# KiCad board panel_rp2350_20x20.kicad_pcb (continued)
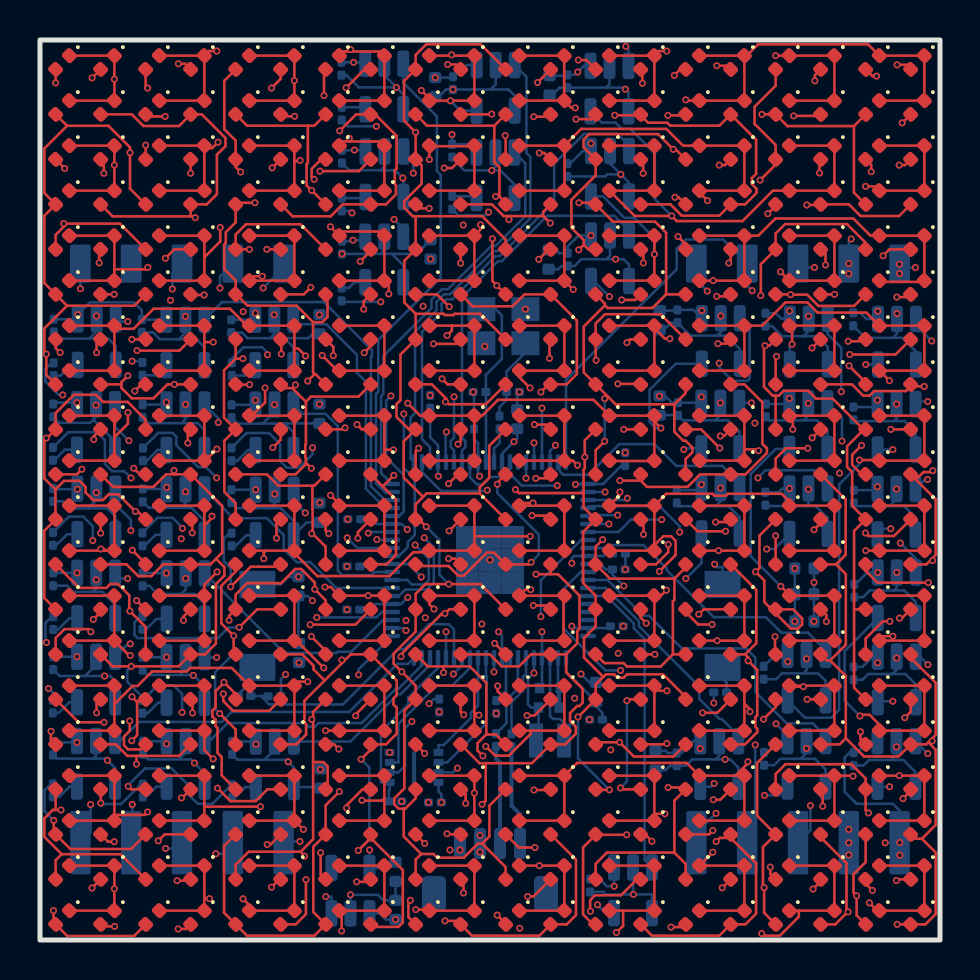
[diagram p0: board, top side]
## Routing (per net, layer and track width the routed paths; a pad name or vN(x,y) marks a point on that pad's centre or on a via; arc(x,y) is an arc through that point) (continued)
Net-(D161-A): length 114.2
  Top w0.127: 19.15,22.15 19.33,22.33 21.99,22.33 ; 19.15,22.15 18.19,23.12 18.19,24.94 D165.2 18.45,25.53 17.83,26.15 17.83,26.79 18.02,26.99 18.02,29.27 D164.2 18.78,31.31 ; 19.15,22.15 18.78,21.78 D166.2 18.94,21.03 v1(19.31,20.67) ; 21.99,22.33 21.99,22.63 22.46,23.11 22.46,24.71 D176.2 ; 21.99,22.33 D175.2 ; 18.78,36.19 18.64,36.19 18.21,36.62 18.21,36.94 19.08,37.81 19.08,38.73 D162.2 v1(18.78,40.38) 18.2,40.96 18.2,42.95 D161.2 18.78,44.25 19.31,44.78 22.03,44.78 D180.2 ; 18.78,36.19 22.11,36.19 23.28,35.02 D178.2 ; 18.78,36.19 D163.2 18.22,33.97 18.22,31.87 18.78,31.31 ; 19.06,4.3 18.19,5.17 18.19,6.56 ; 19.06,4.3 19.68,4.3 19.86,4.11 21.19,4.11 21.89,4.82 22.11,4.82 ; 19.06,4.3 18.78,4.02 D170.2 ; 18.19,6.56 17.93,6.56 17.72,6.78 17.72,7.08 18.22,7.58 18.22,11.47 D168.2 18.78,12.72 v1(18.09,13.41) 17.68,13.82 17.68,14.32 18.78,15.42 D167.2 18.78,17.31 19.27,17.79 v1(20.44,17.79) 22.02,17.79 D174.2 ; 18.19,6.56 18.26,6.56 18.78,7.09 D169.2 ; D173.2 22.88,12.43 v1(22.88,12.7) ; D172.2 22.47,6.72 22.47,5.18 22.11,4.82 ; 18.78,31.31 20.18,31.31 20.25,31.25 20.67,31.25 20.74,31.31 22,31.31 D177.2 ; v1(23.26,40.22) 23.28,40.2 D179.2 ; 22.11,4.82 23.28,3.65 D171.2
  In1.Cu w0.127: v1(22.88,12.7) 22.85,12.74 18.76,12.74 v1(18.09,13.41) ; v1(19.31,20.67) 19.01,20.67 18.51,20.16 18.21,20.16 17.64,20.74 15.86,20.74 15.77,20.65 14.63,20.65 14.46,20.81 7.35,20.81 v1(7.12,20.58) ; v1(18.78,40.38) 19.08,40.68 22.39,40.68 22.85,40.22 v1(23.26,40.22)
  Bottom w0.127: v1(20.44,17.79) 19.97,18.27 19.97,20 v1(19.31,20.67) ; 5.12,20.36 5.88,21.11 6.63,21.11 7.12,20.62 v1(7.12,20.58)
Net-(D181-A): length 144.3
  Top w0.127: v1(24.6,21.22) 25.34,21.22 D195.2 ; v1(24.35,11.22) 24.72,11.22 D193.2 ; v1(24.72,25.77) 25.3,25.77 D196.2 ; D191.2 24.68,2.18 v1(24.38,2.18) ; D182.2 20.6,38.6 v1(20.21,38.6) ; v1(20.38,43.78) 20.79,43.78 D181.2 ; D192.2 25.5,7.5 v1(24.7,7.5) ; D194.2 25.34,16.73 v1(24.67,16.73) ; v1(19.67,29.81) 20.81,29.81 D184.2 ; v1(20.45,20.45) D186.2 ; D199.2 25.21,39.35 v1(24.96,39.35) ; D200.2 v1(24.87,42.87) ; v1(21.03,33.84) D183.2 ; D187.2 20.45,16.53 v1(20.25,16.33) 20.1,16.33 18.05,14.28 v1(18.05,14.17) ; v1(21.18,11.26) 21.03,11.41 D188.2 ; D197.2 25.47,29.97 v1(25.47,29.08) ; v1(24.94,34.04) 25.44,34.53 D198.2 ; v1(21.17,2.35) 21.17,2.89 D190.2 ; D189.2 21.28,7.28 v1(21.28,6.83) ; v1(20.9,24.79) 21.03,24.93 D185.2
  In1.Cu w0.127: v1(21.03,33.84) 21.23,34.04 v1(24.94,34.04) ; v1(20.9,24.79) 20.4,24.79 19.94,25.25 19.94,25.58 20.13,25.77 v1(24.72,25.77) ; v1(21.17,2.35) 21.35,2.18 v1(24.38,2.18) ; v1(20.45,20.45) 21.22,21.22 v1(24.6,21.22) ; v1(24.87,42.87) 23.97,43.78 v1(20.38,43.78) ; v1(2.64,19.97) 5.37,19.97 5.9,19.44 11.89,19.44 12.16,19.17 13.46,19.17 16.65,15.98 v1(18.3,15.98)
  In2.Cu w0.127: v1(18.05,14.17) 18.5,13.72 18.5,12.25 18.18,11.93 18.18,10.8 18.49,10.48 18.66,10.48 20.01,9.13 20.01,8.92 20.71,8.21 21.28,8.21 ; 25.18,21.22 25.41,21.45 25.41,25.94 25.73,26.26 25.73,28.83 v1(25.47,29.08) 25.47,33.5 v1(24.94,34.04) ; 25.18,21.22 v1(24.6,21.22) 22.87,19.49 22.87,18.84 20.36,16.33 v1(20.25,16.33) 20.25,16.6 19.94,16.92 19.24,16.92 v1(18.3,15.98) ; 25.18,21.22 25.18,17.23 v1(24.67,16.73) ; v1(24.87,42.87) 25.05,42.7 25.05,39.44 v1(24.96,39.35) ; v1(24.38,2.18) 24.38,7.18 v1(24.7,7.5) 24.35,7.85 v1(24.35,11.22) ; 21.28,8.21 v1(21.28,6.83) 21.4,6.71 21.4,2.58 v1(21.17,2.35) ; 21.28,8.21 21.28,11.16 v1(21.18,11.26) ; v1(20.38,43.78) 20.15,43.55 20.15,38.66 v1(20.21,38.6) 20.21,34.66 v1(21.03,33.84) 19.67,32.48 v1(19.67,29.81) 19.67,27.98 19.93,27.72 19.93,27.08 19.87,27.02 19.87,26.51 20.9,25.48 v1(20.9,24.79)
  Bottom w0.127: R18.2 1.44,21.17 2.16,21.17 2.64,20.69 v1(2.64,19.97)
Net-(D201-A): length 125.1
  Top w0.127: D213.2 22.79,10.28 22.31,10.28 ; D205.2 18.78,24.44 v1(18.93,24.59) ; 20.32,26.92 20.45,26.79 22.29,26.79 D217.2 ; 20.32,26.92 20.3,26.91 v1(20.28,26.91) ; 20.32,26.92 20.32,27.05 19.59,27.78 D204.2 ; D218.2 v1(22.84,32.72) 22.62,32.94 v1(22.62,35.06) ; 22.31,10.28 22.31,12.86 21.49,13.68 20.18,13.68 ; 22.31,10.28 21.87,9.84 21.87,9.48 v1(22.14,9.2) ; 20.18,13.68 19.38,13.68 D207.2 ; 20.18,13.68 v1(20.18,13.37) ; D206.2 18.86,18.7 20.43,18.7 20.91,18.22 21.19,18.22 22.34,19.37 22.7,19.37 D215.2 24.45,18.78 v1(24.56,18.89) ; v1(20.46,31.67) 19.84,32.28 D203.2 ; D211.2 23.28,0.82 v1(22.86,1.24) ; v1(19.46,36.58) 18.98,36.58 D202.2 ; 22.71,40.71 D220.2 ; 22.71,40.71 22.71,38.9 22.97,38.64 22.97,37.18 ; 22.71,40.71 19.35,40.71 D201.2 ; D216.2 22.86,22.86 v1(22.86,22.79) ; 22.97,37.18 v1(22.78,37.18) ; 22.97,37.18 23.28,36.87 D219.2 ; v1(18.52,1.98) 18.42,1.89 18.42,1.14 D210.2 ; D212.2 23.94,4.62 v1(24.75,4.62) ; v1(19.24,4.83) D209.2 ; D208.2 v1(19.23,9.33) ; D214.2 v1(22.73,14.83)
  In1.Cu w0.127: v1(22.86,1.24) 22.22,1.88 18.62,1.88 v1(18.52,1.98) ; v1(18.93,24.59) 18.6,24.92 13.94,24.92 v1(13.63,24.61) ; v1(22.73,14.83) 22.09,15.47 v1(22.09,15.8) ; v1(19.46,36.58) 20.29,35.75 v1(21.16,35.75) ; v1(24.75,4.62) 24.51,4.86 21.64,4.86 21.58,4.92 19.33,4.92 v1(19.24,4.83) ; v1(20.18,13.37) 19.26,14.28 v1(19.26,16.11) ; v1(22.14,9.2) 19.36,9.2 v1(19.23,9.33)
  In2.Cu w0.127: v1(21.16,35.75) 21.6,35.31 21.6,35.06 ; v1(22.78,37.18) 22.8,37.16 22.8,35.24 v1(22.62,35.06) 21.6,35.06 ; v1(19.26,16.11) 19.41,15.96 21.63,15.96 21.78,16.11 ; v1(18.52,1.98) 18.52,4.11 v1(19.24,4.83) 20.47,6.06 20.47,8.09 v1(19.23,9.33) ; 20.74,31.55 20.58,31.55 v1(20.46,31.67) ; 20.74,31.55 21.6,32.41 21.6,35.06 ; 20.74,31.55 20.74,28.19 20.28,27.72 v1(20.28,26.91) 21.31,25.87 21.31,24.69 21.01,24.39 19.14,24.39 v1(18.93,24.59) ; 21.78,16.11 22.09,15.8 v1(22.09,15.8) ; 21.78,16.11 v1(24.56,18.89) ; v1(22.86,22.79) 22.84,22.81 v1(22.84,32.72)
  Bottom w0.127: R19.2 10.32,25.35 11.45,25.35 12.01,24.79 12.01,23.95 12.34,23.61 12.95,23.61 13.63,24.29 v1(13.63,24.61) ; v1(22.86,22.79) 22.86,22.35 24.94,20.28 24.94,19.27 v1(24.56,18.89)
Net-(D221-A): length 130
  Top w0.127: 26.31,14.28 26.86,14.84 26.86,15.45 26.97,15.56 26.97,17.22 25.9,18.29 25.53,18.29 ; 26.31,14.28 D234.2 24.55,14.28 23.95,13.68 23.09,13.68 22.49,14.28 D227.2 ; 26.31,14.28 26.31,13.38 27.13,12.56 27.13,11.86 26.97,11.7 26.85,11.7 26.5,11.35 26.5,10.95 26.79,10.66 26.79,10.31 26.26,9.78 D233.2 24.59,8.84 22.29,8.84 ; D226.2 20.75,19.07 v1(20.43,19.07) ; D222.2 22.59,36.78 23.18,36.2 23.45,36.2 ; 25.16,36.2 v1(25.51,35.85) ; 25.16,36.2 25.16,36.41 D239.2 ; 25.16,36.2 23.45,36.2 ; v1(20.25,0.96) 20.86,0.96 D230.2 21.6,0.22 24.97,0.22 D231.2 26.34,0.78 26.8,1.25 26.8,4.01 D232.2 ; 25.53,18.29 v1(24.8,18.29) ; 25.53,18.29 D235.2 ; v1(24.79,23.09) 25.34,23.09 D236.2 ; D225.2 20.9,23.28 v1(20.43,22.82) ; D223.2 21.63,31.69 23.63,31.69 24.22,32.28 D238.2 26.84,30.97 26.84,28.3 26.33,27.78 D237.2 25.43,27.78 v1(25.05,27.4) ; D221.2 22.57,41.28 v1(22.59,41.3) ; D240.2 25.41,41.16 v1(24.69,41.16) ; D224.2 20.38,27.78 v1(20.1,28.06) ; D229.2 20.38,5.28 v1(20.35,5.31) ; 23.45,36.2 v1(23.45,36.02) ; 22.29,8.84 22.29,6.97 v1(22.1,6.78) ; 22.29,8.84 21.97,8.84 D228.2
  In1.Cu w0.127: v1(25.05,27.4) 25.05,27.65 24.68,28.01 22.88,28.01 21.35,26.49 20.17,26.49 19.91,26.75 19.91,27.87 v1(20.1,28.06) ; v1(24.79,23.09) 24.79,23.22 24.39,23.61 21.22,23.61 v1(20.43,22.82) 15.41,22.82 15.02,23.21 8.94,23.21 v1(8.83,23.11) ; v1(20.43,19.07) 21.89,19.07 22.66,18.29 v1(24.8,18.29) ; v1(22.1,6.78) 20.63,5.31 v1(20.35,5.31)
  In2.Cu w0.127: v1(24.69,41.16) 23.82,40.3 23.69,40.3 ; v1(23.45,36.02) 23.69,36.27 23.69,40.3 ; v1(22.59,41.3) 22.7,41.3 23.69,40.3 ; v1(20.43,19.07) 20.86,19.07 24.79,22.99 v1(24.79,23.09) 25.15,23.45 25.15,26.05 25.47,26.37 25.47,26.97 v1(25.05,27.4) 25.05,31.74 24.57,32.22 24.57,34.91 v1(25.51,35.85) ; v1(20.35,5.31) 20.08,5.04 20.08,1.13 v1(20.25,0.96)
  Bottom w0.127: R20.2 5.9,25.35 6.63,25.35 6.82,25.16 6.82,24.74 7.91,23.65 8.29,23.65 v1(8.83,23.11)
Net-(D241-A): length 139.4
  Top w0.127: D259.2 31.78,39.53 v1(31.66,39.53) 30.9,40.29 27.45,40.29 27.18,40.02 27.18,39.64 D242.2 27.78,38.23 26.57,37.01 26.57,35.61 27.19,34.99 27.19,34.76 ; v1(33.99,24.6) 33.06,25.53 D256.2 ; D245.2 27.24,24.99 v1(27.24,24.15) 27.24,23.57 27.18,23.51 27.18,22.35 ; D251.2 32.28,3.8 31.72,4.37 ; v1(26.92,44) 27.32,44 D241.2 ; v1(27.8,28.99) 27.78,29.01 D244.2 27.78,30.82 28.25,31.29 31.03,31.29 D257.2 ; 28.17,13.15 28.3,13.28 28.71,13.28 28.88,13.11 29.18,13.11 29.35,13.28 31.15,13.28 32.28,12.16 D253.2 ; 28.17,13.15 27.2,14.12 27.2,15.1 27.78,15.68 D247.2 27.78,17.22 27.16,17.85 27.16,20.41 D246.2 27.18,21.64 27.18,22.35 ; 28.17,13.15 27.78,12.77 D248.2 v1(26.9,11.15) ; v1(31.41,7.63) 32.19,7.63 D252.2 31.72,6.97 31.72,4.37 ; 27.19,34.76 27.42,34.53 D243.2 ; 27.19,34.76 v1(26.94,34.51) ; v1(28.47,7.51) 27.81,7.51 D249.2 ; D255.2 32.88,20.44 v1(34.28,20.44) ; D260.2 32.01,43.53 v1(31.71,43.23) ; v1(33.61,15.78) 32.91,15.78 32.28,16.4 D254.2 ; 31.72,4.37 28.34,4.37 27.78,3.81 D250.2 ; v1(31.9,35.17) 32.28,34.79 D258.2 ; 27.18,22.35 23.95,22.35 v1(23.77,22.52)
  In1.Cu w0.127: v1(26.92,44) 30.95,44 v1(31.71,43.23) ; v1(27.24,24.15) 27.39,23.99 33.39,23.99 v1(33.99,24.6) ; v1(28.47,7.51) 28.74,7.24 31.02,7.24 v1(31.41,7.63) ; v1(23.77,22.52) 23.38,22.13 15.62,22.13 14.83,22.92 9.69,22.92 9.51,22.74 7.64,22.74 7.28,23.1 v1(4.55,23.1)
  In2.Cu w0.127: 34.35,20.44 34.44,20.53 34.44,24.15 v1(33.99,24.6) ; 34.35,20.44 v1(34.28,20.44) ; 34.35,20.44 34.35,16.52 v1(33.61,15.78) ; v1(27.24,24.15) 27.24,28.42 v1(27.8,28.99) 27.13,29.67 27.13,34.32 v1(26.94,34.51) ; v1(31.9,35.17) 32.12,35.39 32.12,39.07 v1(31.66,39.53) 31.76,39.63 31.76,43.18 v1(31.71,43.23)
  Bottom w0.127: v1(4.55,23.1) 4.22,23.44 3.61,23.44 3.25,23.8 3.25,24.99 2.85,25.39 1.41,25.39 R21.2 ; v1(26.9,11.15) 26.9,9.08 v1(28.47,7.51)
Net-(D261-A): length 143.3
  Top w0.127: D274.2 33.18,16.53 v1(32.94,16.29) ; D267.2 30.03,16.12 v1(30.31,15.84) ; v1(33.84,43.71) 34.35,43.71 D280.2 ; D268.2 29.41,12.03 v1(29.34,11.97) ; v1(30.18,20.28) 30.18,20.89 D266.2 ; D269.2 29.09,7.53 v1(29.02,7.6) ; D264.2 29.51,30.03 v1(29.35,29.87) ; D277.2 34.32,29.82 v1(33.9,29.82) ; D261.2 30.12,43.45 v1(30.12,42.84) ; D273.2 33.86,11.36 v1(33.13,11.36) ; D263.2 30.17,34.39 v1(30.17,33.85) ; v1(34.01,25.2) 34.2,25.2 D276.2 ; v1(33.78,20.9) 34.4,20.9 D275.2 ; v1(34.11,2.61) D271.2 ; D265.2 v1(29.19,25.53) ; D279.2 34.25,38.75 v1(33.96,38.75) ; v1(34.44,33.85) 34.53,33.94 D278.2 ; D272.2 34.01,7.01 v1(33.66,7.01) ; D270.2 29.85,3.03 29.05,2.24 27.75,2.24 27.51,1.99 27.51,1.45 v1(27.52,1.44) ; v1(30.16,38.33) 30.16,38.91 D262.2
  In1.Cu w0.127: v1(34.44,33.85) 34.43,33.85 v1(30.17,33.85) ; v1(30.16,38.33) 33.55,38.33 v1(33.96,38.75) ; v1(29.34,11.97) 29.95,11.36 v1(33.13,11.36) ; v1(33.9,29.82) 33.78,29.7 29.51,29.7 v1(29.35,29.87) ; v1(30.12,42.84) 32.96,42.84 v1(33.84,43.71) ; v1(34.01,25.2) 29.52,25.2 v1(29.19,25.53) 29.19,25.38 28.38,24.57 26.12,24.57 25.92,24.37 19.82,24.37 18.94,25.24 5.23,25.24 4.59,24.6 2.52,24.6 1.14,25.99 v1(1.14,27.26)
  In2.Cu w0.127: v1(34.01,25.2) 33.62,24.8 33.62,20.9 ; v1(30.12,42.84) 30.16,42.8 v1(30.16,38.33) 30.16,33.86 v1(30.17,33.85) 30.17,30.69 v1(29.35,29.87) 29.35,25.69 v1(29.19,25.53) 30.18,24.54 v1(30.18,20.28) 30.18,15.97 v1(30.31,15.84) ; v1(34.11,2.61) 34.18,2.68 34.18,6.49 v1(33.66,7.01) 33.57,7.01 32.64,7.94 32.64,10.87 v1(33.13,11.36) 33.13,16.1 v1(32.94,16.29) 32.94,20.22 33.62,20.9 ; 33.62,20.9 v1(33.78,20.9) ; v1(27.52,1.44) 27.58,1.37 28.04,1.37 28.29,1.63 28.29,5.08 29.02,5.81 v1(29.02,7.6)
  Bottom w0.127: 0.68,28.86 0.58,28.86 0.27,28.55 0.27,27.92 0.94,27.26 v1(1.14,27.26) ; v1(29.34,11.97) 29.35,11.97 29.35,7.93 v1(29.02,7.6)
Net-(D281-A): length 120.9
  Top w0.127: 31.3,32.28 31.3,35.37 30.76,35.91 28.65,35.91 D282.2 27.7,36.86 v1(26.95,36.86) ; 31.3,32.28 30.62,31.6 28.38,31.6 28.24,31.73 ; 31.3,32.28 D298.2 ; 28.24,31.73 27.19,30.68 27.19,28.38 D284.2 28.36,27.2 ; 28.24,31.73 28.24,31.82 D283.2 ; 31.72,18.07 32.28,18.63 D295.2 ; 31.72,18.07 28.5,18.07 D286.2 27.78,19.67 v1(28.13,20.02) ; 31.72,18.07 31.72,17.01 31.64,16.94 31.64,14.28 ; D290.2 27.65,0.78 27.15,1.28 27.15,4.63 27.78,5.26 ; D287.2 28.22,13.84 29.18,13.84 29.35,13.67 31.03,13.67 31.64,14.28 ; D291.2 32.14,0.64 v1(31.55,0.64) ; v1(26.79,41.04) 27.54,41.04 D281.2 ; 28.36,27.2 28.78,26.78 31.72,26.78 ; 28.36,27.2 v1(28.23,27.07) ; D300.2 32.23,41.23 v1(31.4,41.23) ; D288.2 27.89,9.89 v1(28.98,9.89) 29.7,9.17 31.67,9.17 D293.2 ; 27.78,5.26 v1(29.33,5.26) ; 27.78,5.26 D289.2 ; v1(28.23,24.94) 27.78,24.49 D285.2 ; 31.72,26.78 32.28,27.35 D297.2 ; 31.72,26.78 31.72,25.41 32.16,24.97 32.27,24.97 32.62,24.63 32.62,24.38 32.28,24.05 D296.2 ; D299.2 31.93,37.13 v1(31.75,37.13) ; D292.2 33.45,5.28 v1(33.64,5.47) ; 31.64,14.28 D294.2
  In1.Cu w0.127: v1(33.64,5.47) 29.55,5.47 v1(29.33,5.26) ; v1(31.75,37.13) 31.47,36.86 v1(26.95,36.86) 26.9,36.82 19.84,36.82 19.71,36.95 16.19,36.95 v1(15.6,36.35)
  In2.Cu w0.127: 29.4,5.26 29.4,8.51 28.77,9.14 ; 29.4,5.26 v1(29.33,5.26) ; 29.4,5.26 31.55,3.11 v1(31.55,0.64) ; v1(26.79,41.04) 26.79,37.01 v1(26.95,36.86) ; v1(31.4,41.23) 31.27,41.11 31.27,37.6 v1(31.75,37.13) ; v1(28.98,9.89) 28.98,9.35 28.77,9.14 ; 28.77,9.14 28.38,9.14 28.13,9.39 v1(28.13,20.02) 27.87,20.28 27.87,24.57 v1(28.23,24.94)
  Bottom w0.127: v1(15.6,36.35) 15.5,36.45 R23.2 ; v1(28.23,24.94) v1(28.23,27.07)
Net-(D301-A): length 130.6
  Top w0.127: v1(31.34,9.83) 31.3,9.78 D308.2 ; 35.26,14.28 35.81,14.84 35.81,17.5 D315.2 ; 35.26,14.28 D314.2 ; 35.26,14.28 35.4,14.13 v1(35.4,13.96) 35.86,13.51 35.86,11.24 35.77,11.15 35.77,10.66 35.86,10.56 35.86,10.39 35.25,9.78 D313.2 ; 30.03,41.24 30.4,40.86 31.37,40.86 31.51,40.72 33.97,40.72 D320.2 35.81,40.01 35.81,38.31 35.59,38.1 35.59,37.79 35.82,37.57 35.82,37.35 35.26,36.78 D319.2 33.97,36.22 32.09,36.22 31.52,36.78 D302.2 ; 30.03,41.24 v1(28.74,41.24) ; 30.03,41.24 D301.2 ; D307.2 v1(30.74,14.28) ; D310.2 30.6,0.22 33.97,0.22 D311.2 35.27,0.78 35.8,1.32 35.8,3.83 34.53,5.1 ; D318.2 34.43,32.18 v1(33.84,32.18) ; 34.53,5.1 33.99,5.1 v1(33.81,4.93) ; 34.53,5.1 D312.2 ; D317.2 35.22,27.78 36.12,26.88 36.12,24.81 36.35,24.58 36.35,24.35 35.27,23.28 D316.2 33,23.28 32.38,22.66 30.34,22.66 30.03,22.97 ; D309.2 30.25,5.28 v1(30.59,4.94) ; D303.2 29.75,32 v1(29.09,32) ; D304.2 30.01,27.81 v1(28.89,27.81) ; D305.2 30.03,22.97 ; 30.03,22.97 v1(28.99,22.97) ; v1(31.41,19.78) 31.41,19.39 30.8,18.78 D306.2
  In1.Cu w0.127: v1(33.84,32.18) 33.66,32 v1(29.09,32) 28.86,31.78 28.34,31.78 28.09,32.03 19.43,32.03 19.36,32.11 19.06,32.11 18.85,31.91 v1(17.04,31.91) ; v1(33.81,4.93) 33.8,4.94 v1(30.59,4.94) ; v1(28.99,22.97) 28.22,22.97 27.87,22.63 27.87,20.83 28.93,19.78 v1(31.41,19.78) ; v1(30.74,14.28) 35.08,14.28 v1(35.4,13.96)
  In2.Cu w0.127: 30.74,9.83 30.59,9.68 v1(30.59,4.94) ; 30.74,9.83 v1(31.34,9.83) ; 30.74,9.83 v1(30.74,14.28) 30.74,18.14 30.6,18.28 30.6,18.97 v1(31.41,19.78) ; v1(28.74,41.24) 28.63,41.13 28.63,34.88 29.19,34.32 29.19,32.1 v1(29.09,32) 28.89,31.81 v1(28.89,27.81) 28.89,26.85 28.8,26.76 28.8,25.25 28.85,25.2 28.85,23.11 v1(28.99,22.97)
  Bottom w0.127: R24.2 15.13,31.91 v1(17.04,31.91)
Net-(D321-A): length 151.8
  Top w0.127: D321.2 36.78,42.71 35.73,41.66 35.73,40.81 36.78,39.75 D322.2 36.78,38.77 v1(36.01,37.99) ; 40.7,16.53 40.7,12.61 D333.2 ; 40.7,16.53 D334.2 ; 40.7,16.53 40.7,20.45 D335.2 40.61,21.71 40.61,23.4 40.35,23.65 40.35,24.69 41.05,25.39 41.05,25.53 ; D340.2 41.62,43.19 v1(41.83,43.19) ; v1(41.42,6.35) 41.28,6.49 D332.2 41.28,8.07 40.57,8.79 37.27,8.79 36.78,8.3 D329.2 ; D338.2 41.28,34.87 40.35,35.8 37.26,35.8 36.78,35.32 D323.2 36.04,33.79 v1(36.04,32.22) ; 41.05,25.53 41.05,25.65 39.63,27.07 38.8,27.07 38.41,27.46 37.18,27.46 36.94,27.22 36.78,27.22 ; 41.05,25.53 D336.2 ; D331.2 41.28,2.82 v1(41.62,2.48) ; v1(40.41,29.94) 41.19,29.94 D337.2 ; D326.2 35.97,20.22 35.97,18.6 v1(35.78,18.41) 36.22,17.98 36.22,16.9 37.55,15.56 37.89,15.56 38.11,15.78 38.11,16.08 37.65,16.53 D327.2 ; D330.2 36.51,3.3 v1(36.51,3.65) ; v1(41.56,38.41) 41.56,38.75 D339.2 ; D324.2 36.47,29.72 v1(36.25,29.72) 36.2,29.66 36.2,27.66 36.64,27.22 36.78,27.22 ; v1(36.18,11.04) 36.78,11.64 D328.2 ; 36.78,27.22 D325.2
  In1.Cu w0.127: v1(36.01,37.99) 36.09,37.91 40.91,37.91 41.41,38.41 v1(41.56,38.41) ; v1(40.41,29.94) 39.68,29.21 37.57,29.21 37.07,29.72 v1(36.25,29.72) 35.91,29.38 25.7,29.38 25.63,29.45 25.32,29.45 24.77,28.89 15.34,28.89 15.05,28.6 13.16,28.6 13.13,28.63 12.01,28.63 v1(11.38,29.26) ; v1(41.42,6.35) 41.16,6.09 38.96,6.09 v1(36.51,3.65)
  In2.Cu w0.127: v1(36.01,37.99) 36.01,32.26 v1(36.04,32.22) 36.25,32.01 v1(36.25,29.72) 36.25,29.08 36.55,28.78 36.55,20.61 35.78,19.85 v1(35.78,18.41) 35.98,18.21 35.98,11.23 v1(36.18,11.04) 36.18,10.92 36.62,10.47 36.62,3.75 v1(36.51,3.65) ; v1(41.56,38.41) 41.83,38.68 v1(41.83,43.19) ; v1(41.42,6.35) 41.62,6.15 v1(41.62,2.48)
  Bottom w0.127: v1(11.38,29.26) 11.38,29.37 11.11,29.63 10.17,29.63 9.59,29.05 R25.2
Net-(D341-A): length 143.8
  Top w0.127: v1(39.28,33.75) 39.28,34.29 D343.2 ; v1(38.7,20.51) 39.03,20.84 D346.2 ; D356.2 v1(42.54,25.53) ; D358.2 42.47,34.53 v1(42.16,34.21) ; D345.2 v1(38.61,25.11) ; D354.2 43.09,16.09 v1(42.98,16.09) ; v1(39.14,6.69) 39.14,7.43 D349.2 ; D350.2 39.03,2.93 v1(38.65,2.55) ; D344.2 v1(38.6,29.6) ; v1(43.24,11.11) 43.53,11.41 D353.2 ; D348.2 v1(38.36,12.03) ; D352.2 43.53,7.45 v1(43.15,7.07) ; v1(42.82,2.97) 42.88,3.03 D351.2 ; v1(42.96,38.75) 43.25,38.75 D359.2 ; v1(39.32,15.92) 39.32,16.25 D347.2 ; v1(38.97,38.35) 38.97,38.97 D342.2 ; D360.2 43.31,43.76 v1(42.85,43.76) ; v1(41.27,20.35) 41.42,20.2 42.7,20.2 D355.2 ; D341.2 38.75,43.25 v1(38.75,42.96) ; v1(40.49,29.27) 42.77,29.27 D357.2
  In1.Cu w0.127: v1(42.85,43.76) 42.85,43.7 41.98,42.83 38.88,42.83 v1(38.75,42.96) ; v1(38.7,20.51) 38.86,20.35 v1(41.27,20.35) ; v1(42.82,2.97) 39.08,2.97 v1(38.65,2.55) ; v1(38.97,38.35) 39.4,38.78 42.92,38.78 v1(42.96,38.75) ; v1(42.98,16.09) 44.76,14.31 44.76,12.63 v1(43.24,11.11) ; v1(39.28,33.75) 39.74,34.21 v1(42.16,34.21) ; v1(42.54,25.53) 42.49,25.58 39.08,25.58 v1(38.61,25.11) ; v1(38.6,29.6) 37.61,30.6 18.1,30.6 17.99,30.49 6.38,30.49 4.84,28.94 v1(4.61,28.94) ; v1(39.14,6.69) 39.52,7.07 v1(43.15,7.07)
  In2.Cu w0.127: v1(38.65,2.55) 39.14,3.03 v1(39.14,6.69) 39.14,11.25 v1(38.36,12.03) 39.32,12.99 v1(39.32,15.92) 39.32,19.9 v1(38.7,20.51) ; v1(38.75,42.96) 38.97,42.73 v1(38.97,38.35) 39.28,38.05 v1(39.28,33.75) 39.28,30.48 39.38,30.38 ; 39.38,30.38 v1(40.49,29.27) 40.68,29.47 41.47,29.47 41.95,28.99 41.95,28.49 41.44,27.98 41.44,20.52 v1(41.27,20.35) ; 39.38,30.38 v1(38.6,29.6) 38.81,29.39 38.81,25.31 v1(38.61,25.11) ; v1(43.24,11.11) 43.24,9.08 42.6,8.44 42.6,8.06 43.15,7.51 v1(43.15,7.07)
  Bottom w0.127: R26.2 5.05,28.94 4.61,28.94 v1(4.61,28.94)
Net-(D361-A): length 150.6
  Top w0.127: v1(36.39,36.31) 36.78,36.71 D362.2 ; 40.7,40.7 37.37,40.7 D361.2 v1(36.09,41.28) ; 40.7,40.7 40.7,37.37 D379.2 ; 40.7,40.7 D380.2 ; v1(41.02,10.41) 41.02,10.04 D373.2 ; D372.2 41.28,3.89 40.67,3.28 40.67,2.37 v1(40.83,2.21) 40.83,1.23 D371.2 ; D376.2 41.08,23.28 40.61,23.76 40.61,24.26 v1(41.08,24.73) ; v1(40.45,28.71) 41.28,27.88 D377.2 ; D363.2 37.52,32.28 v1(37.53,32.27) 38.36,32.27 38.92,31.7 40.7,31.7 D378.2 ; v1(44.41,17.87) 44.42,17.87 41.87,17.87 41.28,18.46 D375.2 ; v1(36.75,15.17) 36.75,14.31 D367.2 ; D366.2 v1(36.78,20.21) ; D364.2 36.78,29.13 v1(36.83,29.18) ; D374.2 41.28,15.07 42.14,15.93 v1(42.49,15.93) ; v1(38.39,24.59) 37.3,24.59 36.78,24.07 D365.2 ; D368.2 35.85,8.85 35.85,6.21 D369.2 36.15,4.65 36.15,2.68 v1(36.2,2.62) 36.2,1.36 D370.2
  In1.Cu w0.127: 44.26,17.89 42.49,16.12 v1(42.49,15.93) ; 44.26,17.89 44.39,17.89 v1(44.41,17.87) ; 44.26,17.89 44.26,19.38 42.66,20.97 37.54,20.97 v1(36.78,20.21) ; v1(16.82,40.68) 17.06,40.93 22.62,40.93 22.88,40.68 35.49,40.68 v1(36.09,41.28) ; v1(41.08,24.73) 40.5,25.31 39.59,25.31 38.87,24.59 v1(38.39,24.59) ; v1(36.2,2.62) 36.64,2.18 40.81,2.18 v1(40.83,2.21) ; v1(37.53,32.27) 38.61,32.27 40.85,30.03 40.85,29.11 v1(40.45,28.71)
  In2.Cu w0.127: 41.02,6.72 41.57,6.72 41.6,6.69 43.31,6.69 44.01,7.39 44.01,17.47 v1(44.41,17.87) ; 41.02,6.72 v1(41.02,10.41) ; 41.02,6.72 41.02,2.4 v1(40.83,2.21) ; v1(41.08,24.73) 41.08,28.03 41.69,28.64 41.69,28.89 41.4,29.18 40.92,29.18 v1(40.45,28.71) ; v1(36.09,41.28) 36.39,40.99 v1(36.39,36.31) 36.39,33.41 v1(37.53,32.27) 36.83,31.57 v1(36.83,29.18) 36.83,20.26 v1(36.78,20.21) 36.78,19.47 36.68,19.36 36.68,15.24 v1(36.75,15.17)
  Bottom w0.127: R27.2 15.4,40.68 v1(16.82,40.68)
Net-(D381-A): length 125.7
  Top w0.127: 43.53,27.68 D397.2 ; 43.53,27.68 43.3,27.45 41.7,27.45 41.47,27.22 41.16,27.22 40.59,27.78 D384.2 ; 43.53,27.68 v1(44.21,27.68) ; D389.2 39.03,5.14 40.32,3.85 40.32,1.4 ; 39.8,18.78 40.28,19.26 40.28,22.03 D385.2 ; 39.8,18.78 40.29,18.29 40.29,14.76 39.51,13.98 ; 39.8,18.78 D386.2 ; 44.55,10.01 44.78,10.25 44.78,12.86 43.53,14.11 D394.2 ; 44.55,10.01 44.42,9.88 ; 44.55,10.01 v1(44.61,9.95) ; D387.2 39.34,13.98 39.51,13.98 ; v1(44.64,23.47) 44.57,23.4 44.18,23.4 43.8,23.02 ; v1(38.34,36.75) 39,36.75 D382.2 40.45,36.78 41.03,36.2 42.95,36.2 D399.2 ; 40.32,1.4 v1(40.4,1.4) ; 40.32,1.4 40.32,1.34 39.76,0.78 D390.2 ; v1(37.68,41.21) 38.96,41.21 D381.2 ; 44.57,19.04 44.31,18.78 D395.2 ; 44.57,19.04 v1(44.63,18.97) ; 44.57,19.04 44.78,19.25 44.78,22.03 43.8,23.02 ; D383.2 v1(39.72,32.28) ; 44.42,9.88 44.78,9.52 44.78,5.75 44.1,5.06 ; 44.42,9.88 44.31,9.78 D393.2 42.92,9.17 41.2,9.17 40.29,10.09 ; D392.2 43.75,5.06 44.1,5.06 ; D396.2 43.8,23.02 ; v1(42.86,0.78) D391.2 44.27,0.78 44.78,1.3 44.78,4.38 44.1,5.06 ; 39.51,13.98 40.29,13.2 40.29,10.09 ; v1(43.11,40.86) D400.2 ; 40.29,10.09 39.98,9.78 D388.2 ; v1(42.84,32.15) 43.4,32.15 D398.2
  In1.Cu w0.127: v1(42.84,32.15) 39.86,32.15 v1(39.72,32.28) 39.5,32.28 37.43,34.34 37.43,35.84 ; v1(37.68,41.21) 42.76,41.21 v1(43.11,40.86) ; v1(22.42,36.39) 30.88,36.39 31.43,35.84 37.43,35.84 ; v1(40.4,1.4) 42.23,1.4 v1(42.86,0.78) ; 37.43,35.84 v1(38.34,36.75)
  In2.Cu w0.127: v1(44.61,9.95) 44.78,10.12 44.78,18.83 v1(44.63,18.97) ; v1(44.64,23.47) 44.02,24.09 44.02,27.48 v1(44.21,27.68) 44.21,30.77 v1(42.84,32.15) ; v1(38.34,36.75) 37.68,37.41 v1(37.68,41.21)
  Bottom w0.127: v1(22.42,36.39) 22.27,36.23 20.92,36.23 R28.2
Net-(R2-Pad1): length 1.3
  Bottom w0.127: R2.1 34.33,12.87 34.13,13.07 SW2.1
Net-(U2-USB_DM): length 4.1
  Bottom w0.127: U2.66 24.3,13.31 24.15,13.15 24.15,12.49 24.14,12.48 24.14,12.47 23.58,11.9 R8.2
Net-(U2-USB_DP): length 4.2
  Bottom w0.127: R7.2 23.32,10.84 23.32,12 23.89,12.57 23.89,13.64 23.9,13.65 U2.67

## Copper pours and planes (outline as drawn; the poured copper is in the pictures)
+1V1 on Bottom: 23.9,12.08 23.9,11.42 24.15,11.17 24.35,11.17 24.55,11.38 24.75,11.38 24.75,11.22 24.45,10.92 24.45,9.12 25.15,9.12 25.15,11.89 25.05,11.89 25.05,12.08 24.5,12.08 24.3,12.28 24.1,12.28
+5V on In3.Cu: 0,45 0,0 45,0 45,45
GND on Bottom: 25.8,14.12 25.8,11.38 26.6,11.38 26.9,11.67 26.9,12.42 26,13.33 26,14.12
GND on In4.Cu: 0,45 0,0 45,0 45,45
/panel_mcu/VREG_LX on Bottom: 25.4,14.03 25.4,13.22 25.35,13.17 25.35,11.03 25.85,10.53 25.85,9.12 26.55,9.12 26.55,10.83 26.25,11.12 25.8,11.12 25.65,11.28 25.65,13.17 25.6,13.22 25.6,14.03

Small or netless copper shapes (teardrops, artwork), in the pictures only: 1 on Bottom
